# Altium PCB Wireless_Security_Detector.PcbDoc (part 2 of 2)
Units mm, origin at the board's own origin, x right, y up, seen from the top; angles counter-clockwise.
Board outline 110.85 x 109.93 mm, 4 copper layers (Top Layer, GND, POWER, Bottom Layer), stack 1.369 mm thick; 126 components, 88 nets, 437 pads, 117 vias.
Unrouted connection lines stored in the file: 6.
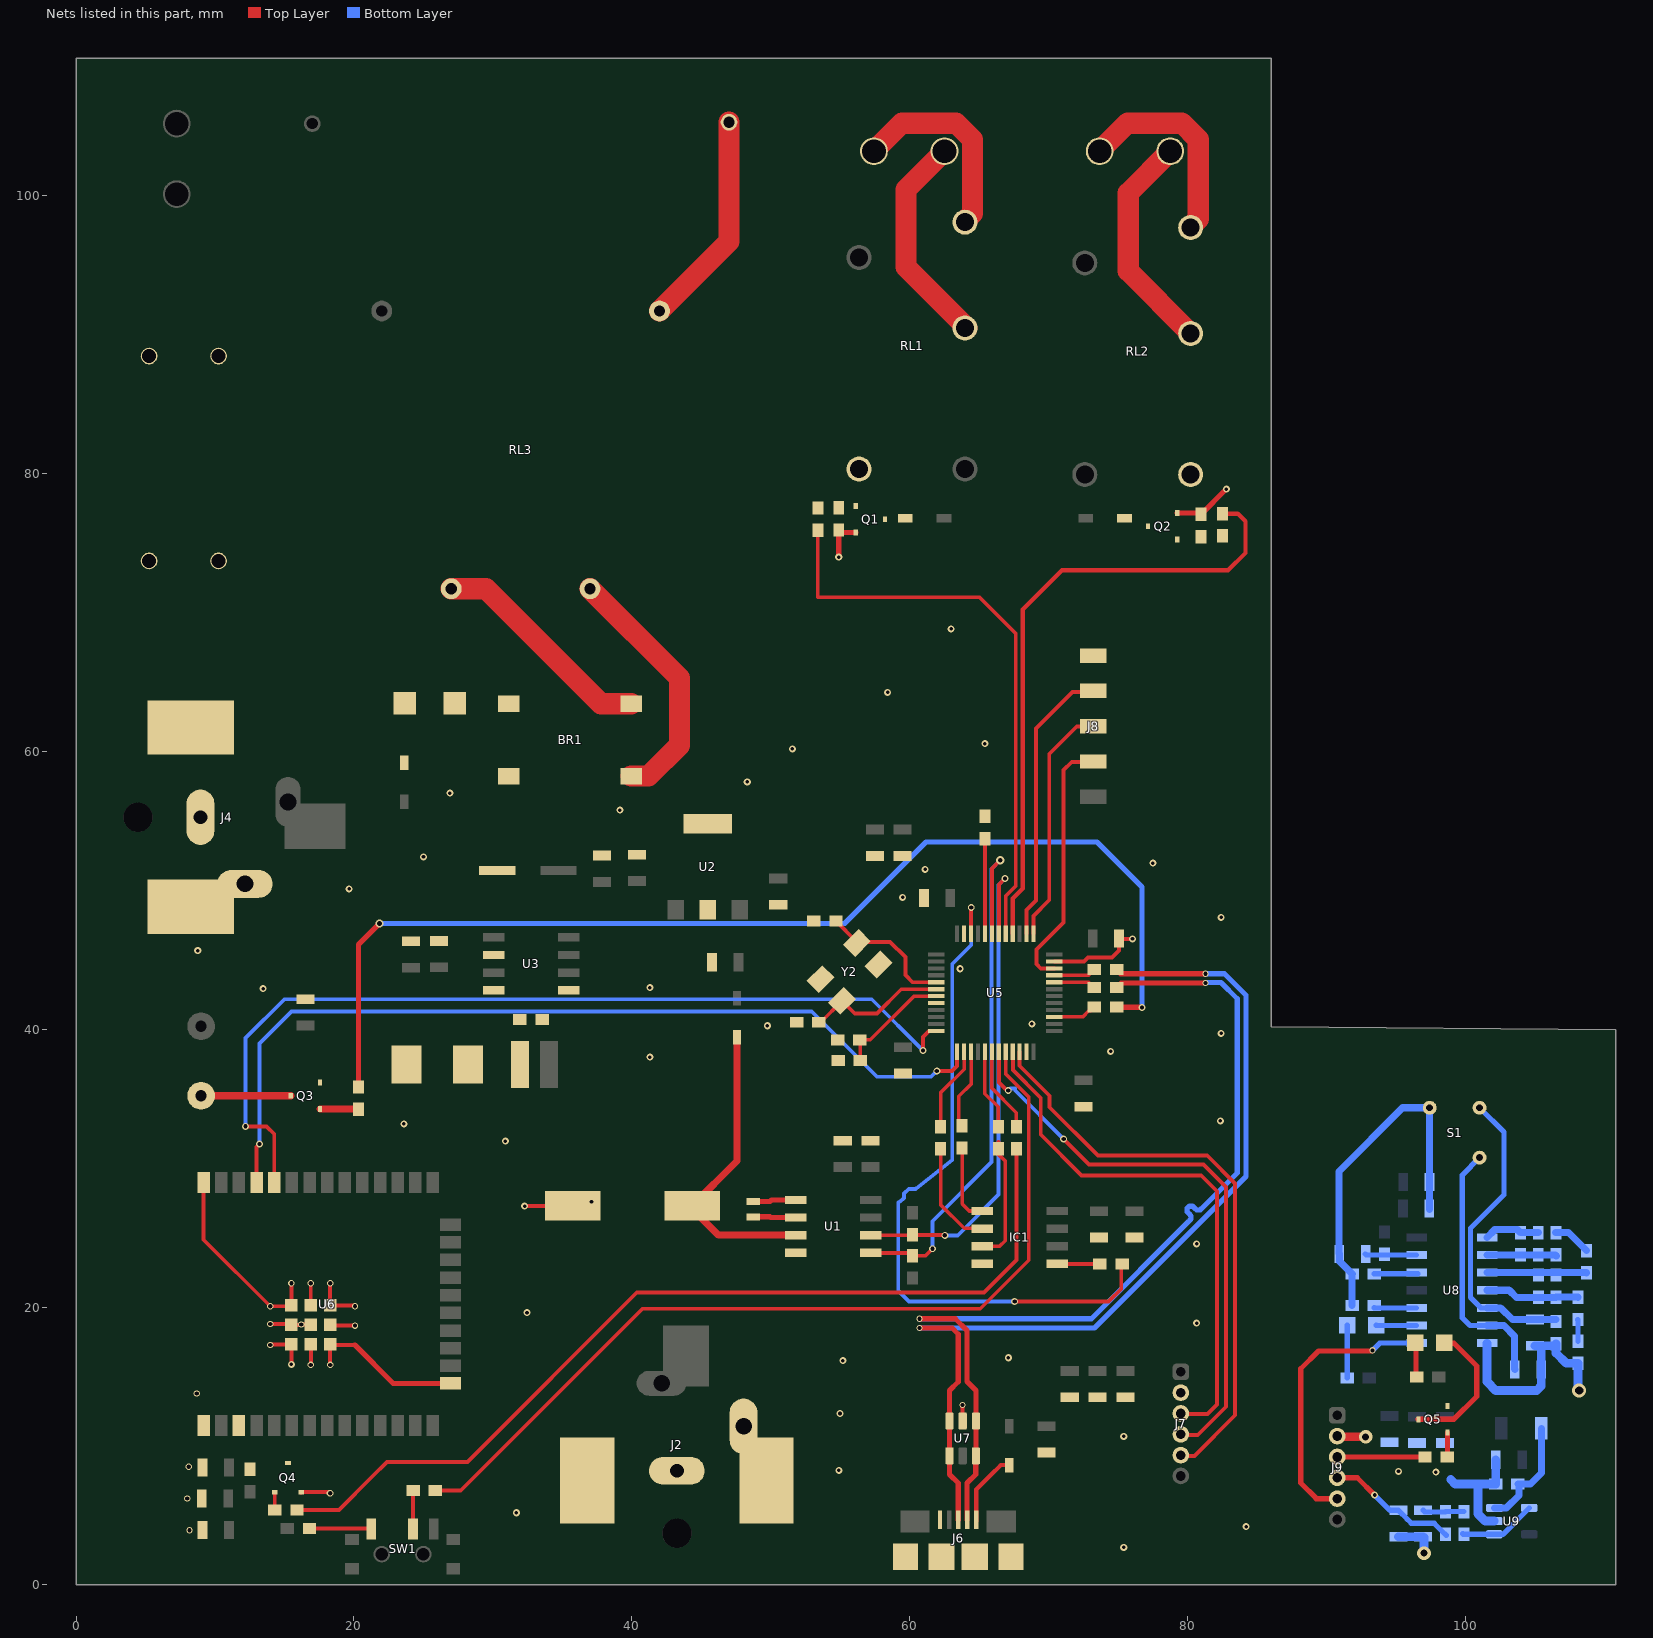
[diagram p4: the nets of this part, all layers, seen from the top]

## Via types
v1: diameter 0.508/0.508 (per signal layer), hole 0.254, Top Layer to Bottom Layer, 53 vias
v2: diameter 0.45, hole 0.3, Top Layer to Bottom Layer, 22 vias
v3: diameter 0.6, hole 0.35, Top Layer to Bottom Layer, 18 vias
v4: diameter 0.5, hole 0.3, Top Layer to Bottom Layer, 17 vias
v5: diameter 1, hole 0.5, Top Layer to Bottom Layer, 5 vias
v6: diameter 1, hole 0.6, Top Layer to Bottom Layer, 1 vias
v7: diameter 0.5, hole 0.3, Top Layer to Bottom Layer, tented both sides, 1 vias

## Nets (pads, with @x,y where several pads share a name; then routed paths per layer and width w, separated by ;. In a path a pad name is that pad's centre, name@x,y a point inside that pad or via, vN(x,y) a via of type N, cw(c..) or ccw(c..) an arc to the next point about the centre after c; other vN are vias at no path point) (continued)
BUZZER: R8.1 R20.2 | length 81.6
  Top Layer w0.381: R8.1@20.32,35.852 20.32,46.101 v3(21.844,47.625) ; R20.2@74.9,41.6 74.91,41.59 76.723,41.59 v4(76.733,41.58)
  Bottom Layer w0.381: v3(21.844,47.625) 55.325,47.625 61.192,53.492 73.482,53.492 76.733,50.241 v4(76.733,41.58)
GND: BR1.4 C1.1 C2.2 C3.2 C4.1 C5.1 C6.1 C7.1 C8.1 C9.1 C11.2 C12.1 C13.1 C14.1 C15.1 C16.1 C17.1 C18.2 C19.1 C20.1 C21.1 C22.1 C23.1 C24.1 C25.1 C26.1 C27.1 C28.1 C29.1 C30.1 C31.1 C47.1 D3.1 IC1.4 J2.2A J2.2B J2.3A J2.3B J4.2A J4.2B J4.3A J4.3B J6.5 J6.SH J7.2 J8.5 Q1.2 Q2.2 Q3.2 Q4.2 R4.1 R5.1 R18.1 R19.1 U1.4 U2.2 U3.6 U5.8 U5.23 U5.35 U5.47 U6.1 U6.15 U6.38 U6.39 U7.2 Y2.2 Y2.4 | length 62.1
  Top Layer w0.279: U6.38@9.18,28.931 9.18,24.856 v2(13.97,20.066) 15.443,20.066 U6.39@15.519,20.142 ; v2@13.97,17.297 13.993,17.321 U6.39@15.5,17.321 15.5,15.881 v1(15.494,15.875) ; v2(13.97,18.796) 15.469,18.796 U6.39@15.494,18.771 ; U6.39@15.469,20.117 15.494,20.142 v2(15.494,21.717) ; U6.39@15.494,18.72 16.18,18.72 v2(16.205,18.745) 16.84,18.745 16.891,18.694 U6.39@16.916,18.694 ; Q4.2@16.2,6.671 16.21,6.681 18.211,6.681 v4(18.288,6.604) ; v2@16.891,15.85 16.9,15.859 U6.39@16.9,17.321 ; v2(16.891,21.717) 16.891,20.142 U6.39@16.916,20.117 ; v2(18.288,15.846) 18.288,17.323 U6.39@18.301,17.335 ; U6.39@18.288,18.72 18.339,18.669 v2(20.066,18.669) ; v2(18.288,21.717) 18.288,20.193 U6.39@18.339,20.142 ; U6.39@18.3,20.121 20.037,20.121 v2@20.066,20.091 ; U6.39@18.313,17.348 U6.39@18.301,17.335 ; 20.066,17.272 18.364,17.272 U6.39@18.301,17.335 ; v1(32.283,27.28) 36.78,27.28 v1(37.1,27.6) ; U7.2@63.816,11.871 v2(63.816,12.953) ; U5.35@70.424,44.891 72.565,44.891 72.848,45.173 74.561,45.173 75.077,45.69 C24.1@75.077,46.507 ; C24.1@75.057,46.507 C24.1@75.077,46.507 ; v1(76.048,46.507) C24.1@75.077,46.507
  Top Layer w0.381: 20.066,17.272 22.832,14.506 U6.15@26.94,14.506 ; v1(54.9,74) R4.1@54.9,75.95 55.075,75.775 Q1.2@56.125,75.775 ; Q2.2@79.275,77.171 80.875,77.171 R5.1@80.975,77.071 v1(82.8,78.896) v1@82.8,78.9
  other v1: 75.417,2.7 84.221,4.201 31.7,5.2 54.915,8.255 75.417,10.7 54.991,12.344 55.194,16.154 67.107,16.358 80.67,18.855 32.458,19.605 80.67,24.556 30.908,31.958 23.6,33.2 82.371,33.408 41.3,38 74.469,38.41 82.421,39.71 49.759,40.259 68.8,40.4 13.462,42.926 41.3,43 63.64,44.364 8.752,45.662 82.421,48.062 59.5,49.5 19.655,50.113 61.115,51.513 77.52,51.963 25.006,52.413 39.141,55.778 26.907,57.014 48.312,57.815 51.562,60.198 65.416,60.565 58.42,64.262 62.992,68.834
  other v2: 8.153,3.937 8.001,6.223 8.103,8.509 8.687,13.792 16.891,15.846 13.97,17.272 20.066,20.066
GND_SENSOR: C33.1 C34.1 C37.1 C39.1 C40.1 C41.1 C42.1 C43.1 C44.1 C45.1 C46.1 J9.2 Q5.2 R28.1 R29.1 R30.1 R31.1 R37.1 S1.3 U8.7 U9.2 | length 55.6
  Top Layer w0.635: J9.2@90.786,10.717 90.835,10.668 v5(92.837,10.668)
  Bottom Layer w0.508: C37.1@90.907,23.851 90.907,29.769 95.492,34.355 S1.3@97.445,34.355 97.445,29.018 C34.1@97.434,29.007 C33.1@97.434,27.026 ; C37.1@90.957,23.851 90.957,23.304 R29.1@91.859,22.403 ; R28.1@91.859,20.117 91.859,22.365 R29.1@91.897,22.403
  Bottom Layer w0.635: C46.1@95.199,3.47 C45.1@96.977,3.47 97.028,3.419 v5(97.028,2.286) ; 98.958,7.595 99.289,7.264 100.914,7.264 ; U8.7@101.576,17.407 101.576,14.629 102.21,13.995 105.131,13.995 105.471,14.336 C43.1@105.471,15.519 C42.1@105.471,17.216 ; U9.2@102.098,4.597 101.455,4.597 100.914,5.138 100.914,7.264 ; C44.1@102.199,9.017 C44.1@102.199,9.017 102.198,7.266 R37.1@102.197,7.264 100.914,7.264 ; C42.1@105.036,17.216 C42.1@105.471,17.216 ; R30.1@106.528,17.221 106.523,17.216 C42.1@105.471,17.216 ; R30.1@106.536,17.366 106.536,16.704 107.284,15.957 R31.1@108.122,15.957 ; R31.1@108.128,15.951 108.128,13.972 108.172,13.972 v6(108.2,14)
  other v1: 97.892,8.128 95.199,8.179
LED_DRIVER: J7.3 U5.21 | length 39.5
  Top Layer w0.279: U5.21@67.424,38.391 67.437,38.378 67.437,37.063 69.444,35.056 69.444,32.436 72.39,29.489 81.001,29.489 82.144,28.346 82.144,12.979 81.461,12.297 79.86,12.297 79.58,12.297 J7.3@79.53,12.348
LED_SENSOR: J9.3 R34.1 | length 6.3
  Top Layer w0.381: J9.3@90.786,9.217 R34.1@97.082,9.217
LIGHT_1_GND: J3.2 RL1.3 | length 14.6
  Top Layer w1.524: J3.2@57.435,103.221 59.451,105.237 63.35,105.237 64.531,104.056 64.531,98.731 63.985,98.185 RL1.3@63.985,98.111
LIGHT_1_VCC: J3.1 RL1.2 | length 15.7
  Top Layer w1.524: J3.1@62.515,103.221 59.745,100.451 59.745,94.881 RL1.2@64.135,90.491
LIGHT_2_GND: J5.2 RL2.3 | length 15
  Top Layer w1.524: J5.2@73.685,103.221 75.701,105.237 79.6,105.237 80.781,104.056 80.781,98.341 80.235,97.795 RL2.3@80.235,97.721
LIGHT_2_VCC: J5.1 RL2.2 | length 16.2
  Top Layer w1.524: J5.1@78.765,103.221 75.747,100.203 75.747,94.589 RL2.2@80.235,90.101
MCU_USB_N: R13.1 U5.32 | length 3
  Top Layer w0.254: U5.32@70.433,43.4 72.9,43.4 R13.1@73.3,43
MCU_USB_P: R16.1 U5.33 | length 3
  Top Layer w0.254: U5.33@70.424,43.891 70.433,43.9 72.9,43.9 R16.1@73.3,44.3
NetBR1_1: BR1.1 RL3.9 | length 18.3
  Top Layer w1.524: RL3.9@37,71.721 43.434,65.287 43.434,60.452 41.21,58.228 BR1.1@39.96,58.228
NetBR1_2: BR1.2 RL3.7 | length 16.4
  Top Layer w1.524: RL3.7@27,71.721 29.498,71.721 37.781,63.438 BR1.2@39.96,63.438
NetBR1_3: BR1.3 F1.1
NetBUZ1_2: BUZ1.2 Q3.3 | length 6.4
  Top Layer w0.508: BUZ1.2@9,35.221 Q3.3@15.45,35.221
NetC2_1: C2.1 C3.1 D6.A F1.2
NetC10_1: C10.1 U3.1
NetC10_2: C10.2 D3.2 L1.1 U3.8
NetC18_1: C18.1 D5.C U1.3 | length 21.9
  Top Layer w0.508: C18.1@44.196,27.229 46.244,25.181 U1.3@51.79,25.181 ; C18.1@44.356,27.305 47.574,30.523 D5.C@47.574,39.443
NetC20_2: C20.2 U5.5 Y2.1 | length 9.7
  Top Layer w0.279: C20.2@54.7,47.8 Y2.1@56.2,46.3 ; Y2.1@56.3,46.3 58.6,46.3 59.7,45.2 59.7,43.9 60.209,43.391 U5.5@61.924,43.391
NetC27_2: C27.2 U5.6 Y2.3 | length 10.1
  Top Layer w0.279: C27.2@53.602,40.513 Y2.3@55.144,42.055 56.05,41.148 57.658,41.148 59.401,42.891 U5.6@61.924,42.891
NetC32_1: C32.1 R25.1 R26.2 U8.2 | length 5
  Bottom Layer w0.508: U8.2@101.576,23.757 106.494,23.757 R26.2@106.553,23.698
NetC32_2: C32.2 R25.2 U8.1 | length 4
  Bottom Layer w0.508: U8.1@101.576,25.027 102.127,25.578 103.772,25.578 C32.2@103.988,25.362 ; C32.2@103.988,25.375 R25.2@105.283,25.375
NetC35_1: C35.1 C36.2 R27.2 U8.3 | length 7.2
  Bottom Layer w0.508: U8.3@101.576,22.487 105.286,22.487 106.536,22.487 108.717,22.487 C35.1@108.737,22.466
NetC35_2: C35.2 R26.1 | length 2.8
  Bottom Layer w0.508: R26.1@106.502,25.375 107.429,25.375 C35.2@108.737,24.066
NetC36_1: C36.1 C38.2 R27.1 U8.4 | length 6.8
  Bottom Layer w0.508: U8.4@101.576,21.217 103.167,21.217 103.683,20.701 105.286,20.701 C36.1@106.536,20.701 ; C36.1@106.536,20.717 108.125,20.717 C38.2@108.128,20.714
NetC37_2: C37.2 R24.1 U8.13 | length 3.7
  Bottom Layer w0.381: C37.2@92.812,23.825 92.88,23.757 U8.13@96.496,23.757
NetC38_1: C38.1 R31.2 | length 1.6
  Bottom Layer w0.381: C38.1@108.102,19.101 108.128,19.075 R31.2@108.128,17.551
NetC42_2: C42.2 R30.2 S1.2 U8.5 | length 22.2
  Bottom Layer w0.381: S1.2@101.037,34.355 102.794,32.598 102.794,28.092 100.381,25.679 100.381,20.701 100.5,20.582 101.135,19.947 U8.5@101.576,19.947
  Bottom Layer w0.508: U8.5@101.576,19.947 102.557,19.947 103.403,19.101 106.502,19.101 R30.2@106.528,19.126
NetC43_2: C43.2 S1.1 U8.6 | length 18.7
  Bottom Layer w0.381: S1.1@101.037,30.762 99.797,29.522 99.797,19.228 100.348,18.677 U8.6@101.576,18.677
  Bottom Layer w0.508: U8.6@101.576,18.677 102.786,18.677 103.556,17.907 103.556,15.535 C43.2@103.571,15.519
NetC45_2: C45.2 R35.2 R36.2 | length 2.9
  Bottom Layer w0.381: C45.2@96.977,5.37 97.089,5.258 R36.2@98.577,5.258 ; R36.2@98.603,5.283 R35.2@99.898,5.283
NetD1_A: D1.A Q1.3 RL1.4
NetD2_A: D2.A Q2.3 RL2.5
NetD4_A: D4.A J6.1 | length 5.4
  Top Layer w0.305: J6.1@64.8,4.6 64.8,6.864 65.81,7.874 66.569,8.633 D4.A@67.183,8.633
NetJ7_5: J7.5 U5.22 | length 42.4
  Top Layer w0.279: U5.22@67.924,38.391 67.924,37.376 70.079,35.221 70.079,34.392 73.558,30.912 81.432,30.912 83.439,28.905 83.439,12.217 80.519,9.297 79.86,9.297 79.58,9.297 J7.5@79.53,9.348
NetJ9_5: J9.5 U8.8 | length 20.4
  Top Layer w0.381: J9.5@90.786,6.217 89.287,6.217 88.163,7.341 88.163,15.57 89.433,16.84 93.269,16.84 v2(93.32,16.891)
  Bottom Layer w0.381: v2(93.32,16.891) 93.853,17.424 U8.8@96.52,17.424
NetLED1_1: LED1.1 R23.1 | length 3.8
  Bottom Layer w0.381: R23.1@91.504,14.91 91.508,14.914 LED1.1@91.508,18.694
NetLED1_2: LED1.2 U8.9 | length 2.9
  Bottom Layer w0.381: LED1.2@93.599,18.694 93.617,18.677 U8.9@96.496,18.677
NetLED2_1: LED2.1 R32.1 | length 2.5
  Top Layer w0.381: LED2.1@96.401,17.45 96.388,17.437 96.452,17.374 96.452,15.041 R32.1@96.507,14.986
NetLED2_2: LED2.2 Q5.3 | length 10
  Top Layer w0.381: Q5.3@96.63,11.923 99.172,11.923 100.838,13.589 100.838,15.748 99.187,17.399 LED2.2@98.552,17.399
NetQ1_1: Q1.1 R2.2 R4.2
NetQ2_1: Q2.1 R3.2 R5.2
NetQ3_1: Q3.1 R8.2 | length 2.8
  Top Layer w0.508: Q3.1@17.55,34.271 20.301,34.271 R8.2@20.32,34.252
NetQ4_1: Q4.1 R22.2 | length 1.3
  Top Layer w0.279: R22.2@14.3,5.41 Q4.1@14.3,6.671
NetQ5_1: Q5.1 R34.2 | length 1.8
  Top Layer w0.381: R34.2@98.704,9.22 98.73,9.246 Q5.1@98.73,10.973
NetR1_2: R1.2 RL3.5 | length 15.7
  Top Layer w1.524: RL3.5@42,91.721 47,96.721 R1.2@47,105.307
NetR2_1: R2.1 U5.41 | length 42.1
  Top Layer w0.279: R2.1@53.416,75.933 53.391,75.908 53.391,71.109 65.035,71.109 67.64,68.504 67.64,50.317 66.924,49.601 U5.41@66.924,46.891
NetR3_1: R3.1 U5.40 | length 45.5
  Top Layer w0.305: U5.40@67.424,46.891 67.424,49.415 68.148,50.14 68.148,70.231 70.968,73.05 82.931,73.05 84.176,74.295 84.176,76.581 83.629,77.127 R3.1@82.525,77.127
NetR6_1: R6.1 SW1.1 | length 4.5
  Top Layer w0.279: R6.1@16.802,4.064 21.207,4.064 SW1.1@21.25,4.021
NetR7_2: R7.2 SW1.2 | length 2.8
  Top Layer w0.279: SW1.2@24.25,4.021 24.257,4.028 R7.2@24.257,6.807
NetR9_1: IC1.5 R9.1 | length 3.1
  Top Layer w0.279: IC1.5@70.645,23.114 73.686,23.114 R9.1@73.7,23.1
NetR10_1: R10.1 U5.14 | length 6.1
  Top Layer w0.254: R10.1@62.23,32.995 62.23,35.43 63.925,37.125 63.925,38.39 U5.14@63.924,38.391
NetR11_1: R11.1 U5.15 | length 5.8
  Top Layer w0.254: R11.1@63.779,33.058 63.551,33.287 63.551,35.179 64.424,36.052 U5.15@64.424,38.391
NetR12_1: R12.1 U5.17 | length 5.8
  Top Layer w0.254: U5.17@65.424,38.391 65.424,35.376 66.374,34.426 R12.1@66.374,33
NetR17_1: R17.1 U5.18 | length 6.1
  Top Layer w0.254: U5.18@65.924,38.391 65.924,35.776 67.691,34.009 67.691,33.009 R17.1@67.7,33
NetR19_2: R19.2 U5.44 | length 6.8
  Top Layer w0.254: U5.44@65.43,46.897 R19.2@65.43,53.734
NetR20_1: R20.1 U5.27 | length 3.2
  Top Layer w0.254: U5.27@70.424,40.891 72.457,40.891 72.9,41.333 73.033,41.333 R20.1@73.3,41.6
NetR28_2: R28.2 U8.10 | length 3.1
  Bottom Layer w0.381: R28.2@93.447,19.964 93.464,19.947 U8.10@96.496,19.947
NetR29_2: R29.2 U8.12 | length 3.1
  Bottom Layer w0.381: R29.2@93.459,22.403 U8.12@96.596,22.403
NetR33_1: R33.1 R37.2 U9.3 | length 8.1
  Bottom Layer w0.508: U9.3@102.098,5.547 102.956,5.547 103.861,6.452 103.861,7.201 R37.2@103.797,7.264 ; R37.2@103.886,7.264 104.699,7.264 105.488,8.054 R33.1@105.488,11.278
NetR35_1: R35.1 U9.1 U9.4 | length 5.6
  Bottom Layer w0.381: R35.1@99.822,3.683 99.858,3.647 U9.1@102.098,3.647 102.708,3.647 U9.4@104.608,5.547
NetU1_1: U1.1 Y1.2 | length 3.1
  Top Layer w0.381: Y1.2@48.743,27.601 49.953,27.601 50.073,27.721 U1.1@51.79,27.721
NetU1_2: U1.2 Y1.1 | length 3.1
  Top Layer w0.381: Y1.1@48.743,26.501 49.953,26.501 50.003,26.451 U1.2@51.79,26.451
NRST: C28.2 R18.2 U5.7 | length 8.3
  Top Layer w0.254: R18.2@56.426,39.243 57.168,39.243 60.316,42.391 U5.7@61.924,42.391 ; C28.2@56.451,37.77 R18.2@56.451,39.243
RTC_I2C_SDA: R14.1 U1.5 U5.43 | length 40.3
  Top Layer w0.279: U1.5@57.19,23.911 59.989,23.911 R14.1@60.2,23.7 61.14,23.7 v4(61.646,24.206) ; U5.43@65.924,46.891 65.924,51.573 v3(66.523,52.172)
  Bottom Layer w0.279: v4(61.646,24.206) 61.646,26.187 65.9,30.442 65.9,51.549 v3(66.523,52.172)
RTC_I2C_SDL: R15.1 U1.6 U5.42 | length 37.6
  Top Layer w0.279: U1.6@57.19,25.181 60.181,25.181 R15.1@60.2,25.2 62.506,25.2 v4(62.535,25.171) ; U5.42@66.424,46.891 66.424,50.422 66.853,50.851 v4(66.878,50.851)
  Bottom Layer w0.279: v4(62.535,25.171) 63.471,25.171 63.764,25.464 66.4,28.1 66.4,50.398 66.853,50.851 v4(66.878,50.851)
"SENSOR ON/OFF": R7.1 U5.20 | length 65.3
  Top Layer w0.279: R7.1@25.857,6.807 27.686,6.807 40.767,19.888 65.088,19.888 68.58,23.38 68.58,35.12 66.924,36.776 U5.20@66.924,38.391
SWCLK: J8.3 U5.37 | length 17.4
  Top Layer w0.279: U5.37@68.924,46.891 68.924,48.172 70.053,49.301 70.053,59.817 72.034,61.798 73.203,61.798 J8.3@73.228,61.824
SWDIO: J8.2 U5.34 | length 18.6
  Top Layer w0.279: U5.34@70.424,44.391 69.443,44.391 69.139,44.695 69.139,45.745 71.095,47.701 71.095,48.819 71.095,58.674 71.679,59.258 73.203,59.258 J8.2@73.228,59.284
TDI: J8.4 U5.38 | length 20.3
  Top Layer w0.279: U5.38@68.424,46.891 68.428,46.894 68.428,48.59 69.113,49.276 69.113,61.671 71.73,64.287 73.152,64.287 J8.4@73.228,64.364
TEMP_ADC: C46.2 J9.4 R36.1 | length 9.7
  Top Layer w0.381: J9.4@90.786,7.717 92.232,7.717 v1(93.472,6.477)
  Bottom Layer w0.381: v1(93.472,6.477) 94.579,5.37 C46.2@95.199,5.37 95.837,4.732 96.124,4.445 97.765,4.445 98.628,3.581 98.577,3.632 R36.1@98.577,3.658
TEMP_IN_OT: R9.2 U5.46 | length 50.7
  Top Layer w0.279: U5.46@64.424,46.891 64.424,48.752 v4(64.44,48.768) ; v4(67.567,20.405) 67.576,20.396 74.32,20.396 75.24,21.316 75.24,22.98 75.3,23.04 R9.2@75.3,23.1
  Bottom Layer w0.279: v4(64.44,48.768) 64.44,46.076 63.068,44.704 63.068,30.607 60.469,28.538 60.428,28.508 60.365,28.507 59.938,28.507 59.605,28.175 59.605,27.861 59.552,27.808 59.207,27.534 59.182,27.508 59.182,21.133 59.233,21.133 59.966,20.4 67.562,20.4 v4(67.567,20.405)
TEMP_IN_SPI_CS: IC1.2 R10.2 | length 7.8
  Top Layer w0.254: R10.2@62.23,31.394 62.23,27.381 63.932,25.679 IC1.2@65.329,25.679
TEMP_IN_SPI_SCK: IC1.1 R11.2 | length 5.7
  Top Layer w0.254: R11.2@63.779,31.458 63.779,27.432 64.287,26.924 IC1.1@65.245,26.924
TEMP_IN_SPI_SIO: IC1.3 R12.2 | length 9.1
  Top Layer w0.279: IC1.3@65.245,24.384 66.484,24.384 66.884,24.784 66.884,30.516 66.399,31.001 66.399,31.899
TEMPERATURE_ADC: J7.4 U5.19 | length 41.8
  Top Layer w0.279: U5.19@66.424,38.391 66.424,36.176 67.003,35.597 v4(67.102,35.597) ; v4(71.095,32.106) 72.923,30.277 81.153,30.277 82.779,28.651 82.779,12.827 80.749,10.797 79.86,10.797 79.58,10.797 J7.4@79.53,10.848
  Bottom Layer w0.279: v4(67.102,35.597) 67.251,35.746 67.606,35.746 67.606,35.594 v4(71.095,32.106)
USB_N: J6.2 R13.2 U7.1 U7.6 | length 68
  Top Layer w0.374: v2(60.706,19.161) 63.291,19.161 64.137,18.315 64.137,14.639 64.771,14.004 U7.1@64.771,11.815 ; J6.2@64.135,4.699 64.135,7.331 64.765,7.961 U7.6@64.765,9.295 ; U7.6@64.775,9.295 U7.1@64.775,11.805 ; R13.2@74.9,43 75.232,43.332 v2(81.305,43.332)
  Bottom Layer w0.374: v2(60.706,19.161) 73.087,19.161 80.049,26.123 80.181,26.255 ccw(c79.977,26.46) 80.181,26.664 80.053,26.792 cw(c80.257,26.996) 80.053,27.2 cw(c80.257,26.996) 80.461,27.2 80.589,27.072 ccw(c80.793,27.276) 80.997,27.072 82.652,28.727 83.593,29.668 83.593,35.959 83.593,40.26 83.593,42.201 82.419,43.374 81.347,43.374 v2(81.305,43.332)
USB_P: J6.3 R16.2 U7.3 U7.4 | length 68
  Top Layer w0.374: v2(60.706,18.491) 63.072,18.491 63.509,18.055 63.509,14.628 62.875,13.994 U7.3@62.875,11.805 U7.4@62.875,9.295 62.875,7.961 63.5,7.336 J6.3@63.5,4.695 ; R16.2@74.9,44.3 75.198,44.002 v2(81.305,44.002)
  Bottom Layer w0.374: v2(60.706,18.491) 73.305,18.491 84.221,29.407 84.221,37.359 84.221,42.461 82.68,44.002 81.679,44.002 v2(81.305,44.002)
WIFI_EN: R17.2 R22.1 | length 67.3
  Top Layer w0.279: R22.1@15.9,5.41 18.923,5.41 21.301,7.789 22.377,8.865 28.169,8.865 40.361,21.057 65.357,21.057 67.691,23.391 67.691,31.391 R17.2@67.7,31.4
WIFI_EN_ON: Q4.3 R21.1 U6.3
WIFI_RXD: U5.12 U6.34 | length 65.7
  Top Layer w0.279: v4(12.192,33.02) 13.716,33.02 14.26,32.476 U6.34@14.26,28.971 ; v4(60.96,38.481) 60.96,39.46 61.391,39.891 U5.12@61.924,39.891
  Bottom Layer w0.279: v4(12.192,33.02) 12.192,39.37 14.986,42.164 57.277,42.164 v4(60.96,38.481)
WIFI_TXD: U5.13 U6.35 | length 64.6
  Top Layer w0.279: U6.35@12.99,28.971 12.99,31.532 v4(13.208,31.75) ; U5.13@63.424,38.391 63.424,37.36 63.064,37 v4@61.962,37 ; v4(61.961,36.999) v4@61.962,37
  Bottom Layer w0.279: v4(13.208,31.75) 13.208,38.989 15.494,41.275 52.959,41.275 57.645,36.589 61.551,36.589 v4(61.961,36.999)
pads on no net: IC1.6 IC1.7 J2. J4. J6.4 J6.SH1 J6.SH2 J7.6 J9.6 RL1.1 RL2.1 SW1. SW1.3 U1.7 U3.2 U3.3 U3.5 U5.1 U5.2 U5.3 U5.4 U5.10 U5.11 U5.16 U5.25 U5.26 U5.28 U5.29 U5.30 U5.31 U5.39 U5.45 U6.4 U6.5 U6.6 U6.7 U6.8 U6.9 U6.10 U6.11 U6.12 U6.13 U6.14 U6.16 U6.17 U6.18 U6.19 U6.20 U6.21 U6.22 U6.23 U6.24 U6.25 U6.26 U6.27 U6.28 U6.29 U6.30 U6.31 U6.32 U6.33 U6.36 U6.37 U8.11

## Polygon pours and split planes (outlines as drawn)
GND_SENSOR on Top Layer "DGND_L02_P000" (solid, remove dead copper, pour order 20): 87.224,2.489 88.773,0.94 108.471,0.94 110.007,2.515 110.007,37.541 108.471,39.078 88.773,39.065 87.224,37.516
GND on Top Layer "DGND_L02_P000" (solid, remove dead copper, pour order 17): 8.12,91.735 4.22,91.735 3.82,91.191 3.82,31.628 4.914,30.535 28.43,30.535 30.42,28.545 30.42,2.235 31.368,1.051 84.343,1.051 85.622,2.969 85.622,71.135 84.343,71.135 80.917,71.135 74.039,71.135 53.735,71.135 42.535,59.935 20.32,59.935 8.52,71.735 8.52,91.191
GND on Top Layer "Top Layer-GND" (solid, pour order 16): 7.518,3.145 7.849,2.7 9.5,2.7 9.8,2.972 9.8,9.423 9.8,14.4 12.1,16.7 13.208,16.7 13.208,16.129 14.478,14.859 19.812,14.859 21.082,16.129 21.082,20.828 19.304,22.606 14.986,22.606 13.208,20.828 13.208,20.8 8.3,20.8 7.518,20.018
3V3DC on Top Layer "3V3DC_L01_P005" (solid, pour order 5): 51.2,55.245 46.482,50.527 46.482,41.91 46.99,41.402 48.26,41.402 48.768,41.91 48.768,49.657 49.149,50.038 51.943,50.038 52.5,50.595 52.5,53 53.094,53.594 57.756,53.594 61.233,53.594 62.23,52.959 62.23,48.012 62.949,47.987 63.272,47.663 63.272,46.559 63.576,46.559 63.525,52.959 64.11,55.245
5VDC on Top Layer "Top Layer-5VDC" (solid, pour order 4): 32.893,35.433 33.151,35.175 38.863,35.175 39.37,35.573 39.37,45.339 36.449,48.133 36.449,49.706 41.48,49.706 41.775,49.411 41.775,46.4 42.074,46.101 43.016,46.101 43.704,46.101 43.942,46.296 43.942,49.149 41.656,51.435 36.449,51.435 36.449,52.197 35.941,52.705 33.401,52.705 32.893,52.197 32.893,49.657 34.29,48.26 34.29,45.925 37.504,45.925 37.973,45.339 37.973,40.005 37.643,39.675 33.2,39.675 32.893,39.368
NetC2_1 on Top Layer "NETC2_1_L01_P000" (solid, pour order 0): 8.636,89.662 12.065,89.662 12.065,73.152 20.447,64.77 25.019,64.77 25.019,58.293 22.531,58.293 22.479,62.103 21.463,62.103 20.849,62.103 10.526,72.425 8.636,72.396
GND_SENSOR on Bottom Layer "DGND_L02_P000" (solid, remove dead copper, pour order 21): 87.224,2.515 88.773,0.965 108.458,0.965 110.007,2.515 110.007,37.541 108.458,39.091 88.773,39.091 87.224,37.541
GND on Bottom Layer "DGND_L02_P000" (solid, pour order 18): 46.482,1.524 66.1,1.524 75.897,1.524 80.913,1.524 84.252,1.524 85.545,3.445 85.545,71.306 85.105,71.628 82.329,71.628 78.847,71.628 71.815,71.628 54.228,71.628 43.052,60.452 24.892,60.452 24.638,60.198 1.388,60.198 0.508,59.45 0.508,58.166 0.508,40.716 1.346,39.878 1.786,39.878 3.048,39.878 12.7,35.814 13.208,30.988 26.416,30.988 27.686,29.972 27.686,11.176 26.67,9.906 6.858,9.906 6.096,9.144 6.096,2.286 7.112,1.524
5VDC on POWER (split plane): 37.818,34.274 33.827,30.282 33.807,30.256 33.786,30.23 33.784,30.227 33.782,30.224 33.769,30.193 33.756,30.163 33.755,30.159 33.754,30.156 33.75,30.123 33.744,30.09 33.5,20.327 33.501,20.324 33.5,20.32 33.505,20.287 33.508,20.254 33.509,20.251 33.51,20.247 33.523,20.216 33.534,20.185 33.537,20.182 33.538,20.179 33.558,20.153 33.578,20.126 33.581,20.124 33.583,20.121 35.361,18.343 35.394,18.317 35.419,18.298 35.487,18.27 35.56,18.26 43.825,18.26 45.184,16.901 45.184,13.325 43.825,11.966 33.391,11.966 30.254,15.103 30.254,29.8 33.436,32.027 33.454,32.044 33.473,32.059 33.481,32.069 33.49,32.077 33.503,32.098 33.518,32.117 33.523,32.128 33.529,32.139 33.537,32.162 33.546,32.185 33.548,32.197 33.552,32.209 33.553,32.234 33.556,32.258 33.556,40.104 37.818,40.104
3V3DC_SENSOR on POWER (split plane): 110.335,39.461 110.335,0.51 86.743,0.51 86.743,39.686
12VDC on POWER (split plane): 75.156,81.701 75.156,73.832 72.426,72.164 58.674,72.164 58.639,72.159 58.604,72.155 58.603,72.154 58.601,72.154 58.569,72.141 58.536,72.128 58.535,72.127 58.533,72.126 58.505,72.105 58.477,72.084 47.383,61.242 22.86,61.242 22.843,61.24 22.825,61.24 22.806,61.235 22.787,61.232 22.771,61.225 22.754,61.221 22.737,61.211 22.719,61.204 22.705,61.193 22.69,61.185 22.676,61.171 22.661,61.159 22.65,61.145 22.638,61.133 20.352,58.194 20.342,58.177 20.33,58.162 20.323,58.146 20.314,58.13 20.309,58.112 20.302,58.094 20.299,58.076 20.295,58.059 20.295,58.04 20.292,58.021 20.292,46.482 20.302,46.409 20.322,46.361 20.33,46.341 20.375,46.283 21.137,45.521 21.195,45.476 21.215,45.468 21.263,45.448 21.336,45.438 29.093,45.438 29.944,44.587 29.944,44.259 29.954,44.187 29.974,44.139 29.982,44.119 30.027,44.06 30.272,43.815 30.027,43.57 29.982,43.511 29.974,43.491 29.954,43.443 29.944,43.37 29.944,43.043 28.839,41.938 18.068,41.938 15.868,44.138 15.868,50.472 15.86,50.537 15.859,50.545 15.831,50.613 15.786,50.672 13.211,53.246 13.211,59.984 20.001,66.774 50.292,66.774 50.365,66.784 50.413,66.804 50.433,66.812 50.491,66.857 61.045,77.41 61.09,77.469 61.118,77.537 61.128,77.61 61.128,81.417 62.243,82.533 73.842,82.533
3V3DC on POWER (split plane): 85.511,40.228 85.5,40.202 85.477,40.105 85.469,40.005 85.469,0.51 0.51,0.51 0.51,109.417 85.511,109.417
GND_SENSOR on GND (split plane): 110.335,39.461 110.335,0.51 86.997,0.51 86.997,39.683
GND on GND (split plane): 85.215,108.966 1.016,108.966 1.016,92.773 15.748,92.773 15.748,67.818 48.514,67.818 48.514,83.312 85.215,83.312 85.215,0.51 0.51,0.51 0.51,109.417 85.215,109.417

## Keep-outs
Keep-Out Layer:
  the board outline again, w0.254

## Other copper
Top Layer:
  region net TEMP_ADC: 90.297,8.331 90.119,8.153 90.119,7.29 90.297,7.112 91.288,7.112 91.465,7.29 91.465,8.153 91.288,8.331
  region net NetJ9_5: 90.297,6.833 90.119,6.655 90.119,5.791 90.297,5.613 91.288,5.613 91.465,5.791 91.465,6.655 91.288,6.833
  region net LED_SENSOR: 90.297,9.83 90.119,9.652 90.119,8.788 90.297,8.611 91.288,8.611 91.465,8.788 91.465,9.652 91.288,9.83
  region net 3V3DC_SENSOR: 90.297,12.827 90.119,12.649 90.119,11.786 90.297,11.608 91.288,11.608 91.465,11.786 91.465,12.649 91.288,12.827
  region net GND_SENSOR: 90.297,11.328 90.119,11.151 90.119,10.287 90.297,10.109 91.288,10.109 91.465,10.287 91.465,11.151 91.288,11.328
  region net 12VDC: 71.628,81.534 73.406,81.534 74.168,80.772 74.168,77.724 73.66,77.216 73.406,76.962 73.406,76.454 72.898,75.946 72.269,75.946 71.948,75.946 71.628,76.2 71.628,78.232 71.12,78.74 71.12,81.026
  region net 12VDC: 30.861,43.561 30.987,43.667 30.988,44.323 30.828,44.45 27.305,44.45 26.924,44.831 23.279,44.831 22.987,44.636 22.987,43.28 23.319,43.075 26.924,43.104 27.305,43.561
  region net 3V3DC: 70.503,14.681 70.282,14.884 70.282,16.688 70.637,17.043 70.637,17.069 80.162,17.069 80.594,16.637 80.594,14.986 80.289,14.681
  region net 3V3DC: 10,10.585 10.2,9.4 10.2,3.5 10.541,3.048 13.843,3.048 14.097,3.175 14.097,4.445 13.843,4.572 13.208,4.572 12.954,4.953 12.954,4.129 12.954,7.275 12.7,7.382 11.938,7.382 11.735,7.538 11.735,9.017 10.998,9.754 10.998,12.09 10.871,12.217 10,12.216
  region net WIFI_EN_ON: 11.354,12.217 11.252,12.116 11.278,9.728 11.811,9.195 11.938,9.068 11.913,7.823 12.04,7.696 13.818,7.696 14.072,7.95 14.072,8.433 14.199,8.56 15.672,8.56 15.773,8.661 15.773,9.068 15.672,9.169 13.056,9.169 12.929,9.296 12.395,9.296 12.192,9.525 12.192,12.116 12.141,12.141 12.065,12.217
  region net NetQ1_1: 56.243,78.257 52.875,78.257 52.654,78.036 52.654,77.071 52.865,76.86 56.304,76.86 56.49,77.046 56.49,78.011
  region net NetQ2_1: 82.779,76.2 79.019,76.2 78.74,75.921 78.74,74.803 78.994,74.549 82.779,74.549 83.083,74.854 83.083,75.895
  region net NetD1_A: 55.372,81.788 57.912,81.788 58.42,81.28 58.42,78.486 58.928,77.978 59.944,77.978 60.452,77.47 60.452,76.2 59.944,75.692 57.912,75.692 57.658,75.946 57.658,78.156 57.048,78.765 55.347,78.765 55.118,78.994 55.118,81.28
  region net 12VDC: 65.532,81.28 65.024,81.788 62.738,81.788 61.874,80.924 61.874,76.657 62.166,76.454 62.461,76.454 63.039,76.454 63.226,76.657 63.482,78.48 65.024,78.675 65.276,78.707 65.532,78.994
  region net NetD2_A: 74.93,77.47 74.93,76.2 75.946,75.184 77.724,75.184 77.978,75.438 77.978,77.216 79.248,78.486 81.534,78.486 81.788,78.74 81.788,81.026 81.28,81.534 78.994,81.534
  region net 3V3DC: 57.988,30.734 54.229,30.734 53.721,30.226 53.721,27.813 54.229,27.305 58.166,27.305 58.674,27.813 58.674,30.162
  region net NetC10_1: 36.068,43.307 33.528,43.307 33,42.779 33,40.421 33.203,40.175 34.904,40.175 35.73,40.175 36.322,40.175 36.576,40.373 36.576,42.799
  region net NetC10_2: 26.812,40.132 28.723,40.132 29.083,40.492 29.088,42.432 29.083,42.926 29.469,43.312 31.903,43.312 32.6,42.615 32.6,35.373 32.03,34.803 26.792,34.803 26.416,35.179 26.416,39.76
  region net 12VDC: 19.939,54.991 20.193,55.245 24.384,55.245 24.384,57.023 20.193,57.023 19.939,57.277 19.939,58.899 18.858,59.741 15.004,59.741 13.97,58.936 13.97,53.463 15.05,52.451 18.847,52.451 19.939,53.231
  region net NetBR1_3: 26.289,62.611 26.289,64.135 26.797,64.516 32.258,64.516 32.766,64.135 32.766,62.611 32.258,62.103 26.797,62.103
Bottom Layer:
  region net GND_SENSOR: 100.508,8.23 100.609,8.128 101.219,8.128 101.321,8.23 101.321,8.331 100.508,8.331
  region net GND_SENSOR: 101.27,16.942 101.041,17.125 101.041,17.323 102.057,17.323 102.057,17.12 101.879,16.942
  region net 3V3DC_SENSOR: 90.348,12.852 90.094,12.598 90.068,12.598 90.068,11.811 90.399,11.57 99.314,11.57 99.543,11.798 99.543,12.573 99.289,12.827
  region net GND_SENSOR: 90.399,11.328 90.043,10.973 90.043,10.312 90.272,10.084 92.989,10.084 94.383,7.239 98.984,7.239 99.441,7.696 99.441,10.541 99.085,10.897 93.904,10.897 93.472,11.328
  region net 3V3DC_SENSOR: 93.32,13.183 92.71,13.183 92.481,12.827 93.574,12.827
  region net 3V3DC_SENSOR: 98.831,13.056 98.222,13.056 97.993,12.7 99.085,12.7
  region net 3V3DC_SENSOR: 95.047,29.743 94.767,29.464 94.767,26.441 94.463,26.137 93.624,26.137 93.345,25.857 93.345,24.74 93.574,24.511 97.485,24.511 97.663,24.689 97.663,25.959 97.485,26.137 96.393,26.137 96.088,26.441 96.088,29.464 95.809,29.743
  region net 5VDC: 40.64,15.748 40.005,15.113 40.005,13.886 40.64,13.208 44.069,13.208 44.704,14.204 44.704,14.838 43.815,15.748
  region net 5VDC: 36.318,35.175 37.625,35.175 37.9,35.45 37.875,35.475 37.875,39.45 37.65,39.675 33.2,39.675 32.893,39.368 32.893,37.973 32.512,37.592 32.512,37.084 32.893,36.703 32.893,35.432 33.15,35.175 34.294,35.175 34.671,34.798 35.941,34.798
GND (plane layer: these items are gaps in the copper):
  rectangle: 48.26,83.312 85.372,108.712
  rectangle: 15.748,67.818 48.514,108.712
  rectangle: 1.016,92.773 85.372,108.966
  lines w1.27: 85.852,0.254 85.852,109.474 ; 86.36,0.254 86.36,39.878
POWER (plane layer: these items are gaps in the copper):
  rectangle: 48.26,83.271 85.321,108.712
  rectangle: 0.762,10.922 7.366,29.718
  rectangle: 1.016,92.71 85.372,108.966
  rectangle: 15.748,67.818 48.514,108.712
  lines w0.559: 12.929,53.13 15.587,50.472 15.587,44.021 17.952,41.656 28.956,41.656 30.226,42.926 30.226,43.37 30.67,43.815 30.226,44.259 30.226,44.704 29.21,45.72 21.336,45.72 20.574,46.482 20.574,58.021 22.86,60.96 47.498,60.96 58.674,71.882 72.505,71.882 75.438,73.674 75.438,81.856 73.924,82.814 62.126,82.814 60.846,81.534 60.846,77.61 50.292,67.056 19.885,67.056 12.929,60.101 12.929,53.13 ; 29.972,14.986 33.274,11.684 43.942,11.684 45.466,13.208 45.466,17.018 43.942,18.542 35.56,18.542 33.782,20.32 34.026,30.083 38.1,34.157 38.1,40.386 33.274,40.386 33.274,32.258 29.972,29.947 29.972,14.986
  lines w1.27: 86.106,0.127 86.106,40.005

## Silkscreen, mask and mechanical layers (free items; w line width, h text height)
Top Overlay:
  text "AC" at 10.653,108.012 h1
  text "PROG." at 84.987,69.531 h1 r90
  text "OUTPUT" at 44.906,65.413 h1
  text "12V" at 15.93,61.1 h1
  text "SENSOR" at 80.587,1.889 h1 r90
  text "5V" at 48.578,1.813 h1
Bottom Overlay:
  text "MAIN" at 88.2,3.489 h1 r270
Drill Drawing:
  the board outline again, w0.559

## Text inside footprints (layer, text, board x,y; h text height)
BR1: Top Overlay "-" at 32.36,58.733 h1 r270; Top Overlay "+" at 32.493,63.833 h1 r270
BUZ1: Top Overlay "+" at 11.2,39.954 h1
C2: Top Overlay "-" at 3.55,73.221 h1
C3: Top Overlay "-" at 3.55,87.971 h1
C11: Top Overlay "+" at 36.012,54.002 h0.8
J8: Mechanical 13 "5" at 73.863,69.219 h1.27 r90; Mechanical 13 "1" at 73.863,53.4 h1.27 r90; Top Overlay "5" at 73.9,69.5 h1.27 r90; Top Overlay "1" at 73.863,53.4 h1.27 r90